# KiCad board soldiercrab_panel.kicad_pcb (continued)
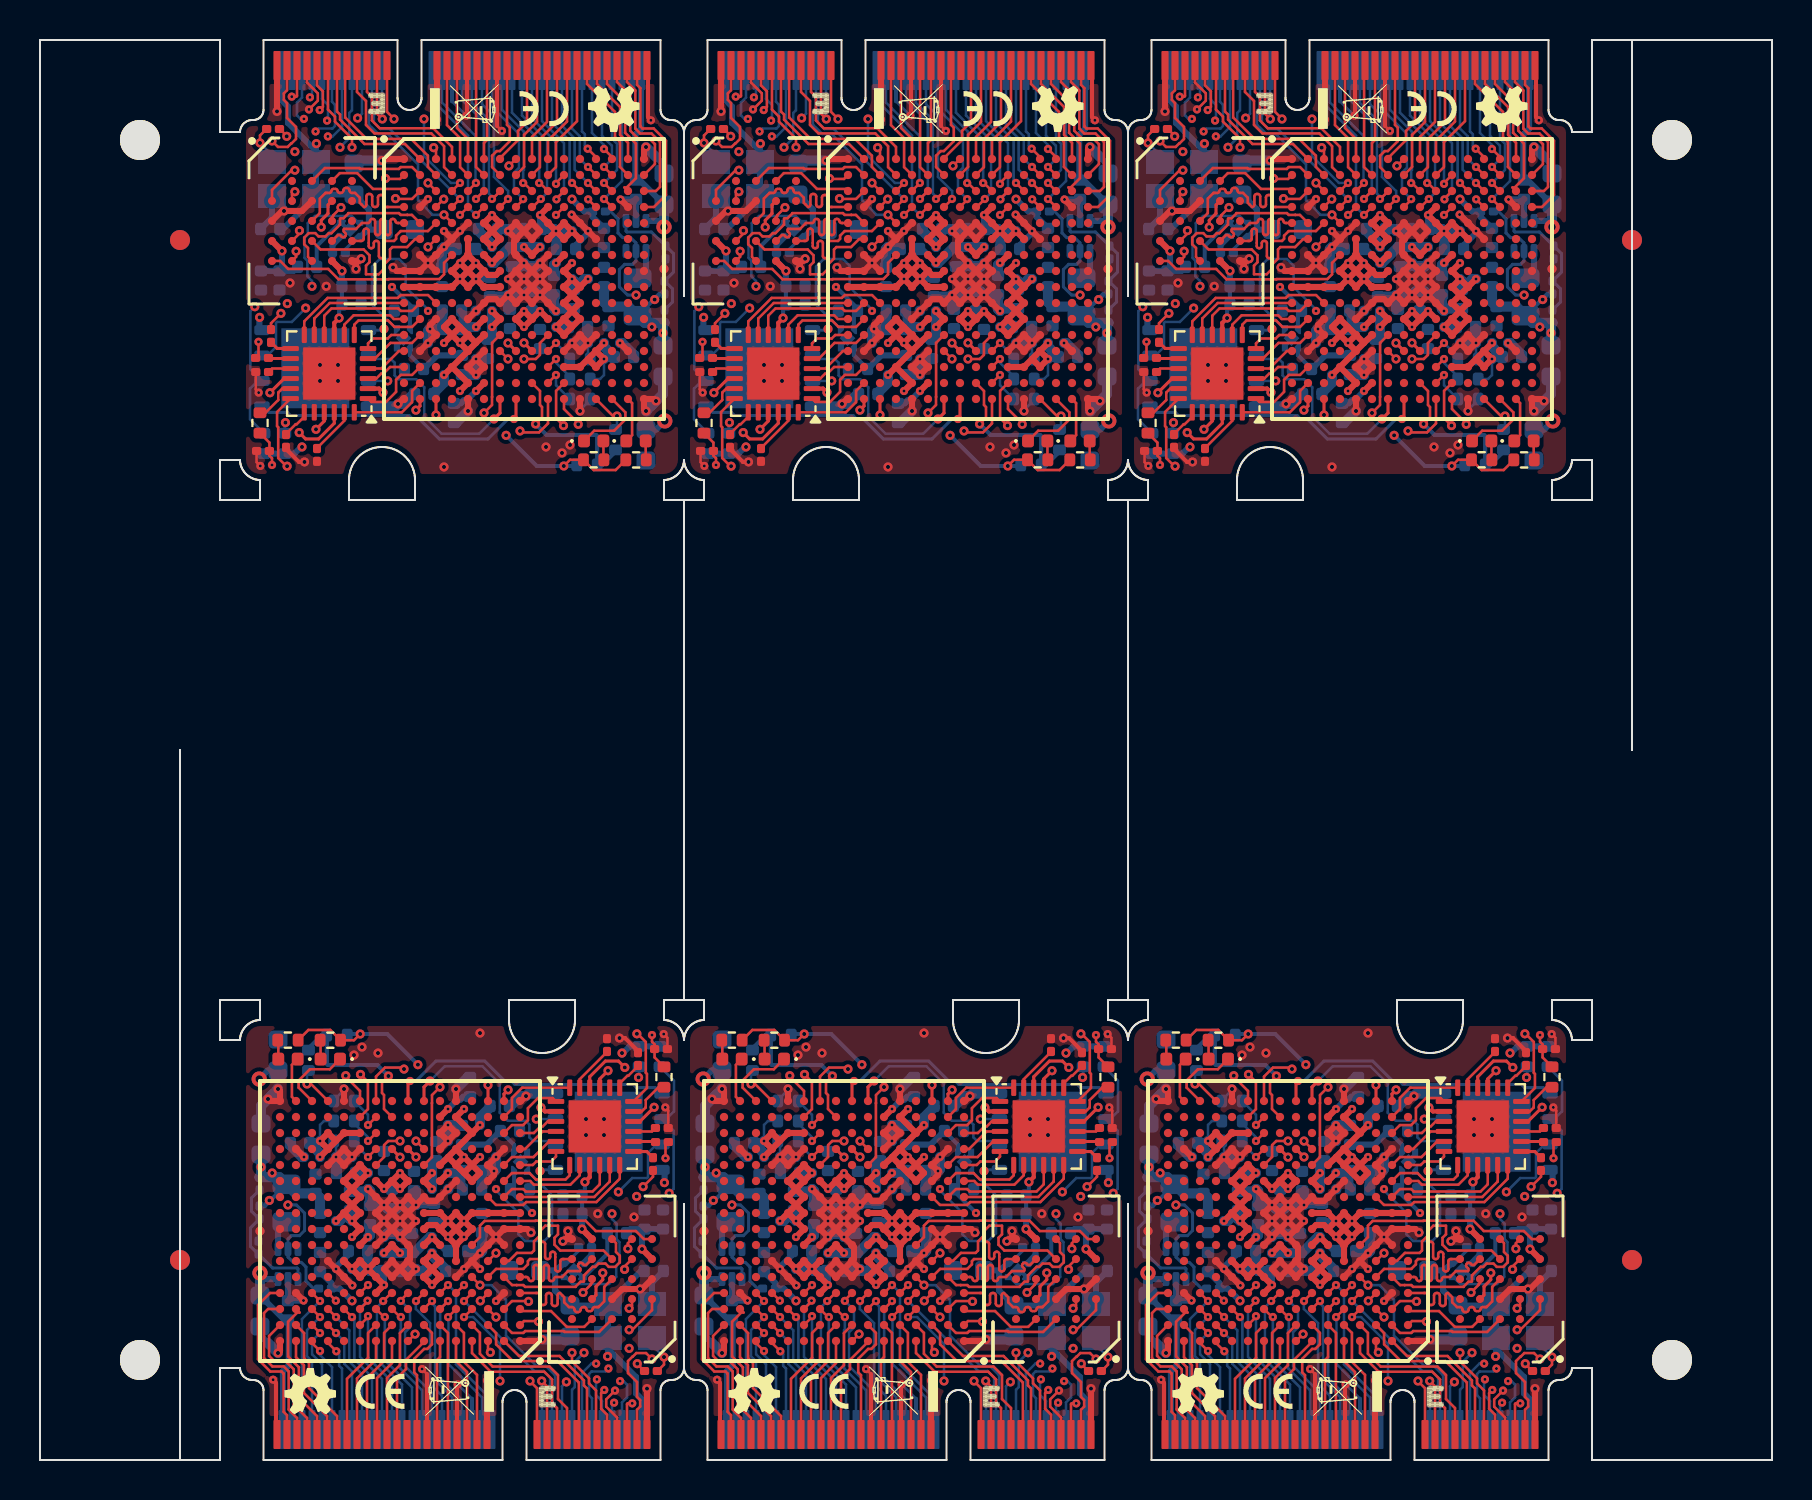
[diagram p0: board, top side]
## Nets (continued)
Board_1-ECP5_A11: IC1.A11
Board_1-ECP5_A12: IC1.A12
Board_1-ECP5_A13: IC1.A13 J1.62
Board_1-ECP5_A14: IC1.A14 J1.64
Board_1-ECP5_A15: IC1.A15 J1.65
Board_1-ECP5_B3: IC1.B3 J1.15
Board_1-ECP5_B4: IC1.B4 J1.17
Board_1-ECP5_B5: IC1.B5 J1.35
Board_1-ECP5_B6: IC1.B6 J1.41
Board_1-ECP5_B7: IC1.B7 J1.47
Board_1-ECP5_B8: IC1.B8 J1.53
Board_1-ECP5_B9: IC1.B9 J1.57
Board_1-ECP5_B10: IC1.B10 J1.61
Board_1-ECP5_B11: IC1.B11 J1.52
Board_1-ECP5_B12: IC1.B12
Board_1-ECP5_B13: IC1.B13 J1.60
Board_1-ECP5_B14: IC1.B14 J1.66
Board_1-ECP5_B15: IC1.B15 J1.63
Board_1-ECP5_B16: IC1.B16 J1.69
Board_1-ECP5_C4: IC1.C4 J1.6
Board_1-ECP5_C5: IC1.C5 J1.34
Board_1-ECP5_C6: IC1.C6 J1.38
Board_1-ECP5_C7: IC1.C7 J1.40
Board_1-ECP5_C8: IC1.C8
Board_1-ECP5_C9: IC1.C9 J1.46
Board_1-ECP5_C10: IC1.C10 J1.48
Board_1-ECP5_C11: IC1.C11 J1.54
Board_1-ECP5_C12: IC1.C12 J1.56
Board_1-ECP5_C13: IC1.C13 J1.58
Board_1-ECP5_C14: IC1.C14 J1.68
Board_1-ECP5_C15: IC1.C15 J1.67
Board_1-ECP5_C16: IC1.C16 J1.71
Board_1-ECP5_D4: IC1.D4 J1.22
Board_1-ECP5_D5: IC1.D5 J1.8
Board_1-ECP5_D6: IC1.D6 J1.32
Board_1-ECP5_D7: IC1.D7 J1.42
Board_1-ECP5_D8: IC1.D8 J1.44
Board_1-ECP5_D9: IC1.D9 J1.50
Board_1-ECP5_D11: IC1.D11 J1.12
Board_1-ECP5_D12: IC1.D12
Board_1-ECP5_D13: IC1.D13 J1.14
Board_1-ECP5_D14: IC1.D14 J1.70
Board_1-ECP5_D16: IC1.D16 J1.73
Board_1-ECP5_E4: IC1.E4 J1.20
Board_1-ECP5_E13: IC1.E13
Board_1-ECP5_M10_TDO: IC1.M10 J1.23
Board_1-ECP5_R11_TDI: IC1.R11 J1.18
Board_1-ECP5_T10_TCK: IC1.T10 J1.10
Board_1-ECP5_T11_TMS: IC1.T11 J1.21
Board_1-EN: R1#2.1 U1#6.5 U2#3.3 U4#6.3
Board_1-GND: C1.2 C2#5.2 C3#5.2 C4#6.2 C5#2.2 C6#4.1 C7#2.2 C8#3.2 C9#2.2 C10#2.2 C11#3.2 C12#4.2 C13.2 C14.2 C15#6.2 C16#5.2 C17#5.2 C18#6.2 C19#2.2 C20#3.2 C21#6.2 C22#6.2 C23#6.2 C24#5.2 C26#4.2 C27#4.2 C28#3.1 C29#4.1 C31#4.2 C32#4.2 C33#5.2 C34#6.2 C35#4.2 C36#5.2 C37#5.2 C65.2 C79#6.2 C80#5.2 C81#3.2 C82#2.2 C83#5.2 IC1.A1 IC1.A16 IC1.D2 IC1.D15 IC1.E5 IC1.E8 IC1.E9 IC1.E12 IC1.F4 IC1.F8 IC1.F9 IC1.F13 IC1.G2 IC1.G3 IC1.G8 IC1.G10 IC1.H1 IC1.H2 IC1.H3 IC1.H8 IC1.H9 IC1.H10 IC1.H16 IC1.J8 IC1.J9 IC1.J10 IC1.K6 IC1.K7 IC1.K8 IC1.K9 IC1.K10 IC1.L3 IC1.L5 IC1.M3 IC1.M12 IC1.M13 IC1.N2 IC1.N6 IC1.N11 IC1.N12 IC1.N15 IC1.P5 IC1.P6 IC1.T1 IC1.T5 IC1.T12 IC1.T16 J1.1 J1.7 J1.33 J1.36 J1.39 J1.45 J1.75 R3.2 R7#2.1 R12#5.2 R14#6.2 U1#6.2 U2#3.2 U3.25 U4#6.2 U7#3.4 U7#3.9 U10#5.B3 U10#5.C1 U10#5.E5 Y1.2
Board_1-Net-(D1-A): D1#6.2 R11#2.1
Board_1-Net-(D1-K): D1#6.1 IC1.T15
Board_1-Net-(D2-A): D2#4.2 R15#2.1
Board_1-Net-(D2-K): D2#4.1 IC1.T14
Board_1-Net-(U1-FB): C25#5.1 R2#6.1 R3.1 U1#6.1
Board_1-Net-(U1-SW): L1#6.1 U1#6.4
Board_1-Net-(U3-DM): R9.2 U3.14
Board_1-Net-(U3-DP): R10#4.2 U3.13
Board_1-Net-(U3-RBIAS): R7#2.2 U3.19
Board_1-Net-(U3-VBUS): R8#3.1 U3.17
Board_1-Net-(Y1-OUT): R108#2.2 Y1.3
Board_1-unconnected-(IC1D-PR5C-PadE14): IC1.E14
Board_1-unconnected-(IC1D-PR5D-PadF14): IC1.F14
Board_1-unconnected-(IC1D-PR8B-PadE15): IC1.E15
Board_1-unconnected-(IC1D-PR11A-PadG12): IC1.G12
Board_1-unconnected-(IC1D-PR11B-PadG13): IC1.G13
Board_1-unconnected-(IC1D-PR11C-PadF15): IC1.F15
Board_1-unconnected-(IC1D-PR11D-PadE16): IC1.E16
Board_1-unconnected-(IC1D-PR14A-PadF16): IC1.F16
Board_1-unconnected-(IC1D-PR14B-PadG15): IC1.G15
Board_1-unconnected-(IC1D-PR14C-PadG14): IC1.G14
Board_1-unconnected-(IC1D-PR14D-PadH14): IC1.H14
Board_1-unconnected-(IC1D-PR17A-PadH12): IC1.H12
Board_1-unconnected-(IC1D-PR17B-PadH13): IC1.H13
Board_1-unconnected-(IC1D-PR17C-PadJ13): IC1.J13
Board_1-unconnected-(IC1D-PR20A-PadG16): IC1.G16
Board_1-unconnected-(IC1D-PR20B-PadH15): IC1.H15
Board_1-unconnected-(IC1D-PR20C-PadJ14): IC1.J14
Board_1-unconnected-(IC1D-PR20D-PadK14): IC1.K14
Board_1-unconnected-(IC1D-PR23A-PadJ16): IC1.J16
Board_1-unconnected-(IC1D-PR23B-PadJ15): IC1.J15
Board_1-unconnected-(IC1D-PR23C-PadK16): IC1.K16
Board_1-unconnected-(IC1D-PR23D-PadK15): IC1.K15
Board_1-unconnected-(IC1E-PR26A-PadL16): IC1.L16
Board_1-unconnected-(IC1E-PR26B-PadL15): IC1.L15
Board_1-unconnected-(IC1E-PR26C-PadM16): IC1.M16
Board_1-unconnected-(IC1E-PR26D-PadM15): IC1.M15
Board_1-unconnected-(IC1E-PR29A-PadK13): IC1.K13
Board_1-unconnected-(IC1E-PR29C-PadL13): IC1.L13
Board_1-unconnected-(IC1E-PR32A-PadN16): IC1.N16
Board_1-unconnected-(IC1E-PR32B-PadP15): IC1.P15
Board_1-unconnected-(IC1E-PR32C-PadL14): IC1.L14
Board_1-unconnected-(IC1E-PR32D-PadM14): IC1.M14
Board_1-unconnected-(IC1E-PR35A-PadP16): IC1.P16
Board_1-unconnected-(IC1E-PR35B-PadR16): IC1.R16
Board_1-unconnected-(IC1E-PR35D-PadN14): IC1.N14
Board_1-unconnected-(IC1E-PR38B-PadP14): IC1.P14
Board_1-unconnected-(IC1E-PR38C-PadR15): IC1.R15
Board_1-unconnected-(IC1E-PR41B-PadR14): IC1.R14
Board_1-unconnected-(IC1E-PR41C-PadR13): IC1.R13
Board_1-unconnected-(IC1E-PR44A-PadR12): IC1.R12
Board_1-unconnected-(IC1F-PL29A-PadK4): IC1.K4
Board_1-unconnected-(IC1F-PL29B-PadK5): IC1.K5
Board_1-unconnected-(IC1F-PL35B-PadR1): IC1.R1
Board_1-unconnected-(IC1F-PL35D-PadN3): IC1.N3
Board_1-unconnected-(IC1F-PL38A-PadN4): IC1.N4
Board_1-unconnected-(IC1F-PL38B-PadP3): IC1.P3
Board_1-unconnected-(IC1F-PL41B-PadR3): IC1.R3
Board_1-unconnected-(IC1F-PL41C-PadR4): IC1.R4
Board_1-unconnected-(IC1F-PL44B-PadT4): IC1.T4
Board_1-unconnected-(IC1G-PL14A-PadF1): IC1.F1
Board_1-unconnected-(IC1G-PL20A-PadG1): IC1.G1
Board_1-unconnected-(IC1H-CS1N/PB13B-PadP8): IC1.P8
Board_1-unconnected-(IC1H-D4/PICO2/PB6B-PadP7): IC1.P7
Board_1-unconnected-(IC1H-D5/POCI2/PB6A-PadR7): IC1.R7
Board_1-unconnected-(IC1H-D7/PB4A-PadT6): IC1.T6
Board_1-unconnected-(IC1H-DONE-PadP9): IC1.P9
Board_1-unconnected-(IC1H-DOUT/CSON/PB15B-PadM8): IC1.M8
Board_1-unconnected-(IC1H-INITN-PadT9): IC1.T9
Board_1-unconnected-(IC1H-SN/CSN/PB13A-PadR8): IC1.R8
Board_1-unconnected-(IC1H-WRITEEN/PB18A-PadM9): IC1.M9
Board_1-unconnected-(J1-3.3V_EN-Pad4): J1.4
Board_1-unconnected-(J1-BATT_VIN/3-Pad49): J1.49
Board_1-unconnected-(J1-RTC_3V-Pad72): J1.72
Board_1-unconnected-(U1-NC-Pad6): U1#6.6
Board_1-unconnected-(U3-XO-Pad20): U3.20
Board_1-unconnected-(U10-RFU-PadA2): U10#5.A2
Board_1-unconnected-(U10-RFU-PadA5): U10#5.A5
Board_1-unconnected-(U10-RFU-PadC2): U10#5.C2
Board_1-unconnected-(U10-RFU/PSC-PadB5): U10#5.B5
Board_1-unconnected-(U10-RFU/~{PSC}-PadC5): U10#5.C5
Board_1-USB0_DM: J1.5 R9.1
Board_1-USB0_DP: J1.3 R10#4.1
Board_1-USB0_ID: J1.16 U3.18
Board_1-USB0_VBUS: C37#5.1 J1.9 R8#3.2
Board_1-VCCRAM: C5#2.1 C19#2.1 C21#6.1 C31#4.1 C32#4.1 C65.1 C82#2.1 C83#5.1 IC1.F5 IC1.G5 IC1.H4 IC1.H5 IC1.H6 IC1.H7 IC1.J1 IC1.J2 IC1.J3 IC1.J4 IC1.J5 IC1.J6 IC1.J7 IC1.L4 IC1.M4 IC1.M5 IC1.M6 IC1.N5 IC1.P4 IC1.R5 R16#4.1 U3.2 U3.9 U4#6.1 U10#5.B4 U10#5.D1 U10#5.E4
Board_2-+1V1: C1#5.1 C3.1 C7.1 C9#3.1 C11#2.1 C13#4.1 C15#3.1 C17#6.1 C25#6.2 C28#2.2 C29#6.2 IC1#2.G6 IC1#2.G7 IC1#2.G9 IC1#2.L8 IC1#2.L9 IC1#2.L10 L1#5.2 R2#5.2
Board_2-+2V5: C22#4.1 C24#6.1 C26#2.1 C27.1 IC1#2.G11 IC1#2.L7 U2#5.1
Board_2-+3V3: C2.1 C4#3.1 C6#5.2 C8#4.1 C10#6.1 C12#3.1 C14#3.1 C16#6.1 C18#5.1 C20#5.1 C23#5.1 C33#4.1 C35.1 C79#5.1 C80#4.1 C81#2.1 IC1#2.D10 IC1#2.E6 IC1#2.E7 IC1#2.E10 IC1#2.E11 IC1#2.F6 IC1#2.F7 IC1#2.F10 IC1#2.F11 IC1#2.F12 IC1#2.H11 IC1#2.J11 IC1#2.J12 IC1#2.K11 IC1#2.K12 IC1#2.L6 IC1#2.L11 IC1#2.L12 IC1#2.M11 IC1#2.N13 IC1#2.P11 IC1#2.P12 IC1#2.P13 IC1#2.R6 J1#2.2 J1#2.74 R1#6.2 R6#6.1 R11#4.2 R13.2 R15#4.2 R16.2 R109.1 R110#5.1 U1#4.3 U2#5.4 U3#2.16 U4.4 U7#5.8 Y1#6.1 Y1#6.4
Board_2-/bank0_1/CLOCK_48MHZ: IC1#2.A8 R108#4.1
Board_2-/bank2_3/~{FPGA_SELF_PROGRAM}: IC1#2.T13 R5#5.2
Board_2-/bank6_7/RAM.CK: IC1#2.C3 U10#4.B2
Board_2-/bank6_7/RAM.DQ0: IC1#2.F2 U10#4.D3
Board_2-/bank6_7/RAM.DQ1: IC1#2.B1 U10#4.D2
Board_2-/bank6_7/RAM.DQ2: IC1#2.C2 U10#4.C4
Board_2-/bank6_7/RAM.DQ3: IC1#2.E1 U10#4.D4
Board_2-/bank6_7/RAM.DQ4: IC1#2.E3 U10#4.D5
Board_2-/bank6_7/RAM.DQ5: IC1#2.E2 U10#4.E3
Board_2-/bank6_7/RAM.DQ6: IC1#2.F3 U10#4.E2
Board_2-/bank6_7/RAM.DQ7: IC1#2.G4 U10#4.E1
Board_2-/bank6_7/RAM.RWDS: IC1#2.D1 U10#4.C3
Board_2-/bank6_7/RAM.~{CK}: IC1#2.D3 U10#4.B1
Board_2-/bank6_7/RAM.~{CS}: IC1#2.B2 U10#4.A3
Board_2-/bank6_7/RAM.~{RESET}: IC1#2.C1 U10#4.A4
Board_2-/bank6_7/USB0.DATA0: IC1#2.N1 U3#2.4
Board_2-/bank6_7/USB0.DATA1: IC1#2.M2 U3#2.5
Board_2-/bank6_7/USB0.DATA2: IC1#2.M1 U3#2.6
Board_2-/bank6_7/USB0.DATA3: IC1#2.L2 U3#2.7
Board_2-/bank6_7/USB0.DATA4: IC1#2.L1 U3#2.8
Board_2-/bank6_7/USB0.DATA5: IC1#2.K2 U3#2.10
Board_2-/bank6_7/USB0.DATA6: IC1#2.K1 U3#2.11
Board_2-/bank6_7/USB0.DATA7: IC1#2.K3 U3#2.12
Board_2-/bank6_7/USB0.DIR: IC1#2.P2 U3#2.1
Board_2-/bank6_7/USB0.NXT: IC1#2.P1 U3#2.3
Board_2-/bank6_7/USB0.REFCLK: IC1#2.T3 U3#2.21
Board_2-/bank6_7/USB0.STP: IC1#2.R2 U3#2.24
Board_2-/bank6_7/USB0.~{RESET}: IC1#2.T2 U3#2.22
Board_2-/bank8_configuration/D0: IC1#2.T8 U7#5.5
Board_2-/bank8_configuration/D1: IC1#2.T7 U7#5.2
Board_2-/bank8_configuration/D2: IC1#2.M7 U7#5.3
Board_2-/bank8_configuration/D3: IC1#2.N7 U7#5.7
Board_2-/bank8_configuration/FPGA_CFG0: IC1#2.N10 R12#6.1
Board_2-/bank8_configuration/FPGA_CFG1: IC1#2.P10 R13.1
Board_2-/bank8_configuration/FPGA_CFG2: IC1#2.R10 R14#2.1
Board_2-/bank8_configuration/FPGA_CONFIG.~{PROGRAM}: IC1#2.R9 R5#5.1 R6#6.2
Board_2-/bank8_configuration/FPGA_FLASH_CLK: IC1#2.N9 R109.2 U7#5.6
Board_2-/bank8_configuration/~{CS_DI}: IC1#2.N8 R110#5.2 U7#5.1
Board_2-/usb/ULPI_1V8: C34#2.1 U3#2.23
Board_2-/usb/ULPI_3V3: C36#2.1 U3#2.15
Board_2-ECP5_A2: IC1#2.A2 J1#2.13
Board_2-ECP5_A3: IC1#2.A3 J1#2.11
Board_2-ECP5_A4: IC1#2.A4 J1#2.19
Board_2-ECP5_A5: IC1#2.A5 J1#2.37
Board_2-ECP5_A6: IC1#2.A6 J1#2.43
Board_2-ECP5_A7: IC1#2.A7 J1#2.51
Board_2-ECP5_A9: IC1#2.A9 J1#2.55
Board_2-ECP5_A10: IC1#2.A10 J1#2.59
Board_2-ECP5_A11: IC1#2.A11
Board_2-ECP5_A12: IC1#2.A12
Board_2-ECP5_A13: IC1#2.A13 J1#2.62
Board_2-ECP5_A14: IC1#2.A14 J1#2.64
Board_2-ECP5_A15: IC1#2.A15 J1#2.65
Board_2-ECP5_B3: IC1#2.B3 J1#2.15
Board_2-ECP5_B4: IC1#2.B4 J1#2.17
Board_2-ECP5_B5: IC1#2.B5 J1#2.35
Board_2-ECP5_B6: IC1#2.B6 J1#2.41
Board_2-ECP5_B7: IC1#2.B7 J1#2.47
Board_2-ECP5_B8: IC1#2.B8 J1#2.53
Board_2-ECP5_B9: IC1#2.B9 J1#2.57
Board_2-ECP5_B10: IC1#2.B10 J1#2.61
Board_2-ECP5_B11: IC1#2.B11 J1#2.52
Board_2-ECP5_B12: IC1#2.B12
Board_2-ECP5_B13: IC1#2.B13 J1#2.60
Board_2-ECP5_B14: IC1#2.B14 J1#2.66
Board_2-ECP5_B15: IC1#2.B15 J1#2.63
Board_2-ECP5_B16: IC1#2.B16 J1#2.69
Board_2-ECP5_C4: IC1#2.C4 J1#2.6
Board_2-ECP5_C5: IC1#2.C5 J1#2.34
Board_2-ECP5_C6: IC1#2.C6 J1#2.38
Board_2-ECP5_C7: IC1#2.C7 J1#2.40
Board_2-ECP5_C8: IC1#2.C8
Board_2-ECP5_C9: IC1#2.C9 J1#2.46
Board_2-ECP5_C10: IC1#2.C10 J1#2.48
Board_2-ECP5_C11: IC1#2.C11 J1#2.54
Board_2-ECP5_C12: IC1#2.C12 J1#2.56
Board_2-ECP5_C13: IC1#2.C13 J1#2.58
Board_2-ECP5_C14: IC1#2.C14 J1#2.68
Board_2-ECP5_C15: IC1#2.C15 J1#2.67
Board_2-ECP5_C16: IC1#2.C16 J1#2.71
Board_2-ECP5_D4: IC1#2.D4 J1#2.22
Board_2-ECP5_D5: IC1#2.D5 J1#2.8
Board_2-ECP5_D6: IC1#2.D6 J1#2.32
Board_2-ECP5_D7: IC1#2.D7 J1#2.42
Board_2-ECP5_D8: IC1#2.D8 J1#2.44
Board_2-ECP5_D9: IC1#2.D9 J1#2.50
Board_2-ECP5_D11: IC1#2.D11 J1#2.12
Board_2-ECP5_D12: IC1#2.D12
Board_2-ECP5_D13: IC1#2.D13 J1#2.14
Board_2-ECP5_D14: IC1#2.D14 J1#2.70
Board_2-ECP5_D16: IC1#2.D16 J1#2.73
Board_2-ECP5_E4: IC1#2.E4 J1#2.20
Board_2-ECP5_E13: IC1#2.E13
Board_2-ECP5_M10_TDO: IC1#2.M10 J1#2.23
Board_2-ECP5_R11_TDI: IC1#2.R11 J1#2.18
Board_2-ECP5_T10_TCK: IC1#2.T10 J1#2.10
Board_2-ECP5_T11_TMS: IC1#2.T11 J1#2.21
Board_2-EN: R1#6.1 U1#4.5 U2#5.3 U4.3
Board_2-GND: C1#5.2 C2.2 C3.2 C4#3.2 C5#4.2 C6#5.1 C7.2 C8#4.2 C9#3.2 C10#6.2 C11#2.2 C12#3.2 C13#4.2 C14#3.2 C15#3.2 C16#6.2 C17#6.2 C18#5.2 C19#6.2 C20#5.2 C21.2 C22#4.2 C23#5.2 C24#6.2 C26#2.2 C27.2 C28#2.1 C29#6.1 C31#6.2 C32.2 C33#4.2 C34#2.2 C35.2 C36#2.2 C37#4.2 C65#2.2 C79#5.2 C80#4.2 C81#2.2 C82#3.2 C83#2.2 IC1#2.A1 IC1#2.A16 IC1#2.D2 IC1#2.D15 IC1#2.E5 IC1#2.E8 IC1#2.E9 IC1#2.E12 IC1#2.F4 IC1#2.F8 IC1#2.F9 IC1#2.F13 IC1#2.G2 IC1#2.G3 IC1#2.G8 IC1#2.G10 IC1#2.H1 IC1#2.H2 IC1#2.H3 IC1#2.H8 IC1#2.H9 IC1#2.H10 IC1#2.H16 IC1#2.J8 IC1#2.J9 IC1#2.J10 IC1#2.K6 IC1#2.K7 IC1#2.K8 IC1#2.K9 IC1#2.K10 IC1#2.L3 IC1#2.L5 IC1#2.M3 IC1#2.M12 IC1#2.M13 IC1#2.N2 IC1#2.N6 IC1#2.N11 IC1#2.N12 IC1#2.N15 IC1#2.P5 IC1#2.P6 IC1#2.T1 IC1#2.T5 IC1#2.T12 IC1#2.T16 J1#2.1 J1#2.7 J1#2.33 J1#2.36 J1#2.39 J1#2.45 J1#2.75 R3#4.2 R7.1 R12#6.2 R14#2.2 U1#4.2 U2#5.2 U3#2.25 U4.2 U7#5.4 U7#5.9 U10#4.B3 U10#4.C1 U10#4.E5 Y1#6.2
Board_2-Net-(D1-A): D1#5.2 R11#4.1
Board_2-Net-(D1-K): D1#5.1 IC1#2.T15
Board_2-Net-(D2-A): D2#6.2 R15#4.1
Board_2-Net-(D2-K): D2#6.1 IC1#2.T14
Board_2-Net-(U1-FB): C25#6.1 R2#5.1 R3#4.1 U1#4.1
Board_2-Net-(U1-SW): L1#5.1 U1#4.4
Board_2-Net-(U3-DM): R9#5.2 U3#2.14
Board_2-Net-(U3-DP): R10#2.2 U3#2.13
Board_2-Net-(U3-RBIAS): R7.2 U3#2.19
Board_2-Net-(U3-VBUS): R8#2.1 U3#2.17
Board_2-Net-(Y1-OUT): R108#4.2 Y1#6.3
Board_2-unconnected-(IC1D-PR5C-PadE14): IC1#2.E14
Board_2-unconnected-(IC1D-PR5D-PadF14): IC1#2.F14
Board_2-unconnected-(IC1D-PR8B-PadE15): IC1#2.E15
Board_2-unconnected-(IC1D-PR11A-PadG12): IC1#2.G12
Board_2-unconnected-(IC1D-PR11B-PadG13): IC1#2.G13
Board_2-unconnected-(IC1D-PR11C-PadF15): IC1#2.F15
Board_2-unconnected-(IC1D-PR11D-PadE16): IC1#2.E16
Board_2-unconnected-(IC1D-PR14A-PadF16): IC1#2.F16
Board_2-unconnected-(IC1D-PR14B-PadG15): IC1#2.G15
Board_2-unconnected-(IC1D-PR14C-PadG14): IC1#2.G14
Board_2-unconnected-(IC1D-PR14D-PadH14): IC1#2.H14
Board_2-unconnected-(IC1D-PR17A-PadH12): IC1#2.H12
Board_2-unconnected-(IC1D-PR17B-PadH13): IC1#2.H13
Board_2-unconnected-(IC1D-PR17C-PadJ13): IC1#2.J13
Board_2-unconnected-(IC1D-PR20A-PadG16): IC1#2.G16
Board_2-unconnected-(IC1D-PR20B-PadH15): IC1#2.H15
Board_2-unconnected-(IC1D-PR20C-PadJ14): IC1#2.J14
Board_2-unconnected-(IC1D-PR20D-PadK14): IC1#2.K14
Board_2-unconnected-(IC1D-PR23A-PadJ16): IC1#2.J16
Board_2-unconnected-(IC1D-PR23B-PadJ15): IC1#2.J15
Board_2-unconnected-(IC1D-PR23C-PadK16): IC1#2.K16
Board_2-unconnected-(IC1D-PR23D-PadK15): IC1#2.K15
Board_2-unconnected-(IC1E-PR26A-PadL16): IC1#2.L16
Board_2-unconnected-(IC1E-PR26B-PadL15): IC1#2.L15
Board_2-unconnected-(IC1E-PR26C-PadM16): IC1#2.M16
Board_2-unconnected-(IC1E-PR26D-PadM15): IC1#2.M15
Board_2-unconnected-(IC1E-PR29A-PadK13): IC1#2.K13
Board_2-unconnected-(IC1E-PR29C-PadL13): IC1#2.L13
Board_2-unconnected-(IC1E-PR32A-PadN16): IC1#2.N16
Board_2-unconnected-(IC1E-PR32B-PadP15): IC1#2.P15
Board_2-unconnected-(IC1E-PR32C-PadL14): IC1#2.L14
Board_2-unconnected-(IC1E-PR32D-PadM14): IC1#2.M14
Board_2-unconnected-(IC1E-PR35A-PadP16): IC1#2.P16
Board_2-unconnected-(IC1E-PR35B-PadR16): IC1#2.R16
Board_2-unconnected-(IC1E-PR35D-PadN14): IC1#2.N14
Board_2-unconnected-(IC1E-PR38B-PadP14): IC1#2.P14
Board_2-unconnected-(IC1E-PR38C-PadR15): IC1#2.R15
Board_2-unconnected-(IC1E-PR41B-PadR14): IC1#2.R14
Board_2-unconnected-(IC1E-PR41C-PadR13): IC1#2.R13
Board_2-unconnected-(IC1E-PR44A-PadR12): IC1#2.R12
Board_2-unconnected-(IC1F-PL29A-PadK4): IC1#2.K4
Board_2-unconnected-(IC1F-PL29B-PadK5): IC1#2.K5
Board_2-unconnected-(IC1F-PL35B-PadR1): IC1#2.R1
Board_2-unconnected-(IC1F-PL35D-PadN3): IC1#2.N3
Board_2-unconnected-(IC1F-PL38A-PadN4): IC1#2.N4
Board_2-unconnected-(IC1F-PL38B-PadP3): IC1#2.P3
Board_2-unconnected-(IC1F-PL41B-PadR3): IC1#2.R3
Board_2-unconnected-(IC1F-PL41C-PadR4): IC1#2.R4
Board_2-unconnected-(IC1F-PL44B-PadT4): IC1#2.T4
Board_2-unconnected-(IC1G-PL14A-PadF1): IC1#2.F1
Board_2-unconnected-(IC1G-PL20A-PadG1): IC1#2.G1
Board_2-unconnected-(IC1H-CS1N/PB13B-PadP8): IC1#2.P8
Board_2-unconnected-(IC1H-D4/PICO2/PB6B-PadP7): IC1#2.P7
Board_2-unconnected-(IC1H-D5/POCI2/PB6A-PadR7): IC1#2.R7
Board_2-unconnected-(IC1H-D7/PB4A-PadT6): IC1#2.T6
Board_2-unconnected-(IC1H-DONE-PadP9): IC1#2.P9
Board_2-unconnected-(IC1H-DOUT/CSON/PB15B-PadM8): IC1#2.M8
Board_2-unconnected-(IC1H-INITN-PadT9): IC1#2.T9
Board_2-unconnected-(IC1H-SN/CSN/PB13A-PadR8): IC1#2.R8
Board_2-unconnected-(IC1H-WRITEEN/PB18A-PadM9): IC1#2.M9
Board_2-unconnected-(J1-3.3V_EN-Pad4): J1#2.4
Board_2-unconnected-(J1-BATT_VIN/3-Pad49): J1#2.49
Board_2-unconnected-(J1-RTC_3V-Pad72): J1#2.72
Board_2-unconnected-(U1-NC-Pad6): U1#4.6
Board_2-unconnected-(U3-XO-Pad20): U3#2.20
Board_2-unconnected-(U10-RFU-PadA2): U10#4.A2
Board_2-unconnected-(U10-RFU-PadA5): U10#4.A5
Board_2-unconnected-(U10-RFU-PadC2): U10#4.C2
Board_2-unconnected-(U10-RFU/PSC-PadB5): U10#4.B5
Board_2-unconnected-(U10-RFU/~{PSC}-PadC5): U10#4.C5
Board_2-USB0_DM: J1#2.5 R9#5.1
Board_2-USB0_DP: J1#2.3 R10#2.1
Board_2-USB0_ID: J1#2.16 U3#2.18
Board_2-USB0_VBUS: C37#4.1 J1#2.9 R8#2.2
Board_2-VCCRAM: C5#4.1 C19#6.1 C21.1 C31#6.1 C32.1 C65#2.1 C82#3.1 C83#2.1 IC1#2.F5 IC1#2.G5 IC1#2.H4 IC1#2.H5 IC1#2.H6 IC1#2.H7 IC1#2.J1 IC1#2.J2 IC1#2.J3 IC1#2.J4 IC1#2.J5 IC1#2.J6 IC1#2.J7 IC1#2.L4 IC1#2.M4 IC1#2.M5 IC1#2.M6 IC1#2.N5 IC1#2.P4 IC1#2.R5 R16.1 U3#2.2 U3#2.9 U4.1 U10#4.B4 U10#4.D1 U10#4.E4
Board_3-+1V1: C1#2.1 C3#4.1 C7#4.1 C9#5.1 C11#4.1 C13#6.1 C15#5.1 C17#3.1 C25#3.2 C28#5.2 C29#3.2 IC1#5.G6 IC1#5.G7 IC1#5.G9 IC1#5.L8 IC1#5.L9 IC1#5.L10 L1#4.2 R2.2
Board_3-+2V5: C22.1 C24#3.1 C26.1 C27#2.1 IC1#5.G11 IC1#5.L7 U2#2.1
Board_3-+3V3: C2#3.1 C4#5.1 C6#3.2 C8.1 C10#4.1 C12#2.1 C14#2.1 C16#3.1 C18.1 C20#6.1 C23#4.1 C33#2.1 C35#3.1 C79#2.1 C80.1 C81.1 IC1#5.D10 IC1#5.E6 IC1#5.E7 IC1#5.E10 IC1#5.E11 IC1#5.F6 IC1#5.F7 IC1#5.F10 IC1#5.F11 IC1#5.F12 IC1#5.H11 IC1#5.J11 IC1#5.J12 IC1#5.K11 IC1#5.K12 IC1#5.L6 IC1#5.L11 IC1#5.L12 IC1#5.M11 IC1#5.N13 IC1#5.P11 IC1#5.P12 IC1#5.P13 IC1#5.R6 J1#6.2 J1#6.74 R1#4.2 R6.1 R11#6.2 R13#2.2 R15#6.2 R16#2.2 R109#2.1 R110#3.1 U1#5.3 U2#2.4 U3#4.16 U4#4.4 U7#4.8 Y1#4.1 Y1#4.4
Board_3-/bank0_1/CLOCK_48MHZ: IC1#5.A8 R108#3.1
Board_3-/bank2_3/~{FPGA_SELF_PROGRAM}: IC1#5.T13 R5#2.2
Board_3-/bank6_7/RAM.CK: IC1#5.C3 U10#3.B2
Board_3-/bank6_7/RAM.DQ0: IC1#5.F2 U10#3.D3
Board_3-/bank6_7/RAM.DQ1: IC1#5.B1 U10#3.D2
Board_3-/bank6_7/RAM.DQ2: IC1#5.C2 U10#3.C4
Board_3-/bank6_7/RAM.DQ3: IC1#5.E1 U10#3.D4
Board_3-/bank6_7/RAM.DQ4: IC1#5.E3 U10#3.D5
Board_3-/bank6_7/RAM.DQ5: IC1#5.E2 U10#3.E3
Board_3-/bank6_7/RAM.DQ6: IC1#5.F3 U10#3.E2
Board_3-/bank6_7/RAM.DQ7: IC1#5.G4 U10#3.E1
Board_3-/bank6_7/RAM.RWDS: IC1#5.D1 U10#3.C3
Board_3-/bank6_7/RAM.~{CK}: IC1#5.D3 U10#3.B1
Board_3-/bank6_7/RAM.~{CS}: IC1#5.B2 U10#3.A3
Board_3-/bank6_7/RAM.~{RESET}: IC1#5.C1 U10#3.A4
Board_3-/bank6_7/USB0.DATA0: IC1#5.N1 U3#4.4
Board_3-/bank6_7/USB0.DATA1: IC1#5.M2 U3#4.5
Board_3-/bank6_7/USB0.DATA2: IC1#5.M1 U3#4.6
Board_3-/bank6_7/USB0.DATA3: IC1#5.L2 U3#4.7
Board_3-/bank6_7/USB0.DATA4: IC1#5.L1 U3#4.8
Board_3-/bank6_7/USB0.DATA5: IC1#5.K2 U3#4.10
Board_3-/bank6_7/USB0.DATA6: IC1#5.K1 U3#4.11
Board_3-/bank6_7/USB0.DATA7: IC1#5.K3 U3#4.12
Board_3-/bank6_7/USB0.DIR: IC1#5.P2 U3#4.1
Board_3-/bank6_7/USB0.NXT: IC1#5.P1 U3#4.3
Board_3-/bank6_7/USB0.REFCLK: IC1#5.T3 U3#4.21
Board_3-/bank6_7/USB0.STP: IC1#5.R2 U3#4.24
Board_3-/bank6_7/USB0.~{RESET}: IC1#5.T2 U3#4.22
Board_3-/bank8_configuration/D0: IC1#5.T8 U7#4.5
Board_3-/bank8_configuration/D1: IC1#5.T7 U7#4.2
Board_3-/bank8_configuration/D2: IC1#5.M7 U7#4.3
Board_3-/bank8_configuration/D3: IC1#5.N7 U7#4.7
Board_3-/bank8_configuration/FPGA_CFG0: IC1#5.N10 R12#2.1
Board_3-/bank8_configuration/FPGA_CFG1: IC1#5.P10 R13#2.1
Board_3-/bank8_configuration/FPGA_CFG2: IC1#5.R10 R14#3.1
Board_3-/bank8_configuration/FPGA_CONFIG.~{PROGRAM}: IC1#5.R9 R5#2.1 R6.2
Board_3-/bank8_configuration/FPGA_FLASH_CLK: IC1#5.N9 R109#2.2 U7#4.6
Board_3-/bank8_configuration/~{CS_DI}: IC1#5.N8 R110#3.2 U7#4.1
Board_3-/usb/ULPI_1V8: C34#5.1 U3#4.23
Board_3-/usb/ULPI_3V3: C36.1 U3#4.15
Board_3-ECP5_A2: IC1#5.A2 J1#6.13
Board_3-ECP5_A3: IC1#5.A3 J1#6.11
Board_3-ECP5_A4: IC1#5.A4 J1#6.19
Board_3-ECP5_A5: IC1#5.A5 J1#6.37
Board_3-ECP5_A6: IC1#5.A6 J1#6.43
Board_3-ECP5_A7: IC1#5.A7 J1#6.51
Board_3-ECP5_A9: IC1#5.A9 J1#6.55
Board_3-ECP5_A10: IC1#5.A10 J1#6.59
Board_3-ECP5_A11: IC1#5.A11
Board_3-ECP5_A12: IC1#5.A12
Board_3-ECP5_A13: IC1#5.A13 J1#6.62
Board_3-ECP5_A14: IC1#5.A14 J1#6.64
Board_3-ECP5_A15: IC1#5.A15 J1#6.65
Board_3-ECP5_B3: IC1#5.B3 J1#6.15
Board_3-ECP5_B4: IC1#5.B4 J1#6.17
Board_3-ECP5_B5: IC1#5.B5 J1#6.35
Board_3-ECP5_B6: IC1#5.B6 J1#6.41
Board_3-ECP5_B7: IC1#5.B7 J1#6.47
Board_3-ECP5_B8: IC1#5.B8 J1#6.53
Board_3-ECP5_B9: IC1#5.B9 J1#6.57
Board_3-ECP5_B10: IC1#5.B10 J1#6.61
Board_3-ECP5_B11: IC1#5.B11 J1#6.52
Board_3-ECP5_B12: IC1#5.B12
Board_3-ECP5_B13: IC1#5.B13 J1#6.60
Board_3-ECP5_B14: IC1#5.B14 J1#6.66
Board_3-ECP5_B15: IC1#5.B15 J1#6.63
Board_3-ECP5_B16: IC1#5.B16 J1#6.69
Board_3-ECP5_C4: IC1#5.C4 J1#6.6
Board_3-ECP5_C5: IC1#5.C5 J1#6.34
Board_3-ECP5_C6: IC1#5.C6 J1#6.38
Board_3-ECP5_C7: IC1#5.C7 J1#6.40
Board_3-ECP5_C8: IC1#5.C8
Board_3-ECP5_C9: IC1#5.C9 J1#6.46
Board_3-ECP5_C10: IC1#5.C10 J1#6.48
Board_3-ECP5_C11: IC1#5.C11 J1#6.54
Board_3-ECP5_C12: IC1#5.C12 J1#6.56
Board_3-ECP5_C13: IC1#5.C13 J1#6.58
Board_3-ECP5_C14: IC1#5.C14 J1#6.68
Board_3-ECP5_C15: IC1#5.C15 J1#6.67
Board_3-ECP5_C16: IC1#5.C16 J1#6.71
Board_3-ECP5_D4: IC1#5.D4 J1#6.22
Board_3-ECP5_D5: IC1#5.D5 J1#6.8
Board_3-ECP5_D6: IC1#5.D6 J1#6.32
Board_3-ECP5_D7: IC1#5.D7 J1#6.42
Board_3-ECP5_D8: IC1#5.D8 J1#6.44
Board_3-ECP5_D9: IC1#5.D9 J1#6.50
Board_3-ECP5_D11: IC1#5.D11 J1#6.12
Board_3-ECP5_D12: IC1#5.D12
Board_3-ECP5_D13: IC1#5.D13 J1#6.14
Board_3-ECP5_D14: IC1#5.D14 J1#6.70
Board_3-ECP5_D16: IC1#5.D16 J1#6.73
Board_3-ECP5_E4: IC1#5.E4 J1#6.20
Board_3-ECP5_E13: IC1#5.E13
Board_3-ECP5_M10_TDO: IC1#5.M10 J1#6.23
Board_3-ECP5_R11_TDI: IC1#5.R11 J1#6.18
Board_3-ECP5_T10_TCK: IC1#5.T10 J1#6.10
Board_3-ECP5_T11_TMS: IC1#5.T11 J1#6.21
Board_3-EN: R1#4.1 U1#5.5 U2#2.3 U4#4.3
Board_3-GND: C1#2.2 C2#3.2 C3#4.2 C4#5.2 C5#3.2 C6#3.1 C7#4.2 C8.2 C9#5.2 C10#4.2 C11#4.2 C12#2.2 C13#6.2 C14#2.2 C15#5.2 C16#3.2 C17#3.2 C18.2 C19#4.2 C20#6.2 C21#5.2 C22.2 C23#4.2 C24#3.2 C26.2 C27#2.2 C28#5.1 C29#3.1 C31.2 C32#2.2 C33#2.2 C34#5.2 C35#3.2 C36.2 C37#3.2 C65#4.2 C79#2.2 C80.2 C81.2 C82#4.2 C83.2 IC1#5.A1 IC1#5.A16 IC1#5.D2 IC1#5.D15 IC1#5.E5 IC1#5.E8 IC1#5.E9 IC1#5.E12 IC1#5.F4 IC1#5.F8 IC1#5.F9 IC1#5.F13 IC1#5.G2 IC1#5.G3 IC1#5.G8 IC1#5.G10 IC1#5.H1 IC1#5.H2 IC1#5.H3 IC1#5.H8 IC1#5.H9 IC1#5.H10 IC1#5.H16 IC1#5.J8 IC1#5.J9 IC1#5.J10 IC1#5.K6 IC1#5.K7 IC1#5.K8 IC1#5.K9 IC1#5.K10 IC1#5.L3 IC1#5.L5 IC1#5.M3 IC1#5.M12 IC1#5.M13 IC1#5.N2 IC1#5.N6 IC1#5.N11 IC1#5.N12 IC1#5.N15 IC1#5.P5 IC1#5.P6 IC1#5.T1 IC1#5.T5 IC1#5.T12 IC1#5.T16 J1#6.1 J1#6.7 J1#6.33 J1#6.36 J1#6.39 J1#6.45 J1#6.75 R3#3.2 R7#5.1 R12#2.2 R14#3.2 U1#5.2 U2#2.2 U3#4.25 U4#4.2 U7#4.4 U7#4.9 U10#3.B3 U10#3.C1 U10#3.E5 Y1#4.2
Board_3-Net-(D1-A): D1#4.2 R11#6.1
Board_3-Net-(D1-K): D1#4.1 IC1#5.T15
Board_3-Net-(D2-A): D2#5.2 R15#6.1
Board_3-Net-(D2-K): D2#5.1 IC1#5.T14
Board_3-Net-(U1-FB): C25#3.1 R2.1 R3#3.1 U1#5.1
Board_3-Net-(U1-SW): L1#4.1 U1#5.4
Board_3-Net-(U3-DM): R9#3.2 U3#4.14
Board_3-Net-(U3-DP): R10#5.2 U3#4.13
Board_3-Net-(U3-RBIAS): R7#5.2 U3#4.19
Board_3-Net-(U3-VBUS): R8#6.1 U3#4.17
Board_3-Net-(Y1-OUT): R108#3.2 Y1#4.3
Board_3-unconnected-(IC1D-PR5C-PadE14): IC1#5.E14
Board_3-unconnected-(IC1D-PR5D-PadF14): IC1#5.F14
Board_3-unconnected-(IC1D-PR8B-PadE15): IC1#5.E15
Board_3-unconnected-(IC1D-PR11A-PadG12): IC1#5.G12
Board_3-unconnected-(IC1D-PR11B-PadG13): IC1#5.G13
Board_3-unconnected-(IC1D-PR11C-PadF15): IC1#5.F15
Board_3-unconnected-(IC1D-PR11D-PadE16): IC1#5.E16
Board_3-unconnected-(IC1D-PR14A-PadF16): IC1#5.F16
Board_3-unconnected-(IC1D-PR14B-PadG15): IC1#5.G15
Board_3-unconnected-(IC1D-PR14C-PadG14): IC1#5.G14
Board_3-unconnected-(IC1D-PR14D-PadH14): IC1#5.H14
Board_3-unconnected-(IC1D-PR17A-PadH12): IC1#5.H12
Board_3-unconnected-(IC1D-PR17B-PadH13): IC1#5.H13
Board_3-unconnected-(IC1D-PR17C-PadJ13): IC1#5.J13
Board_3-unconnected-(IC1D-PR20A-PadG16): IC1#5.G16
Board_3-unconnected-(IC1D-PR20B-PadH15): IC1#5.H15
Board_3-unconnected-(IC1D-PR20C-PadJ14): IC1#5.J14
Board_3-unconnected-(IC1D-PR20D-PadK14): IC1#5.K14
Board_3-unconnected-(IC1D-PR23A-PadJ16): IC1#5.J16
Board_3-unconnected-(IC1D-PR23B-PadJ15): IC1#5.J15
Board_3-unconnected-(IC1D-PR23C-PadK16): IC1#5.K16
Board_3-unconnected-(IC1D-PR23D-PadK15): IC1#5.K15
Board_3-unconnected-(IC1E-PR26A-PadL16): IC1#5.L16
Board_3-unconnected-(IC1E-PR26B-PadL15): IC1#5.L15
Board_3-unconnected-(IC1E-PR26C-PadM16): IC1#5.M16
Board_3-unconnected-(IC1E-PR26D-PadM15): IC1#5.M15
Board_3-unconnected-(IC1E-PR29A-PadK13): IC1#5.K13
Board_3-unconnected-(IC1E-PR29C-PadL13): IC1#5.L13
Board_3-unconnected-(IC1E-PR32A-PadN16): IC1#5.N16
Board_3-unconnected-(IC1E-PR32B-PadP15): IC1#5.P15
Board_3-unconnected-(IC1E-PR32C-PadL14): IC1#5.L14
Board_3-unconnected-(IC1E-PR32D-PadM14): IC1#5.M14
Board_3-unconnected-(IC1E-PR35A-PadP16): IC1#5.P16
Board_3-unconnected-(IC1E-PR35B-PadR16): IC1#5.R16
Board_3-unconnected-(IC1E-PR35D-PadN14): IC1#5.N14
Board_3-unconnected-(IC1E-PR38B-PadP14): IC1#5.P14
Board_3-unconnected-(IC1E-PR38C-PadR15): IC1#5.R15
Board_3-unconnected-(IC1E-PR41B-PadR14): IC1#5.R14
Board_3-unconnected-(IC1E-PR41C-PadR13): IC1#5.R13
Board_3-unconnected-(IC1E-PR44A-PadR12): IC1#5.R12
Board_3-unconnected-(IC1F-PL29A-PadK4): IC1#5.K4
Board_3-unconnected-(IC1F-PL29B-PadK5): IC1#5.K5
Board_3-unconnected-(IC1F-PL35B-PadR1): IC1#5.R1
Board_3-unconnected-(IC1F-PL35D-PadN3): IC1#5.N3
Board_3-unconnected-(IC1F-PL38A-PadN4): IC1#5.N4
Board_3-unconnected-(IC1F-PL38B-PadP3): IC1#5.P3
Board_3-unconnected-(IC1F-PL41B-PadR3): IC1#5.R3
Board_3-unconnected-(IC1F-PL41C-PadR4): IC1#5.R4
Board_3-unconnected-(IC1F-PL44B-PadT4): IC1#5.T4